# Allegro board Chronos.brd (continued)
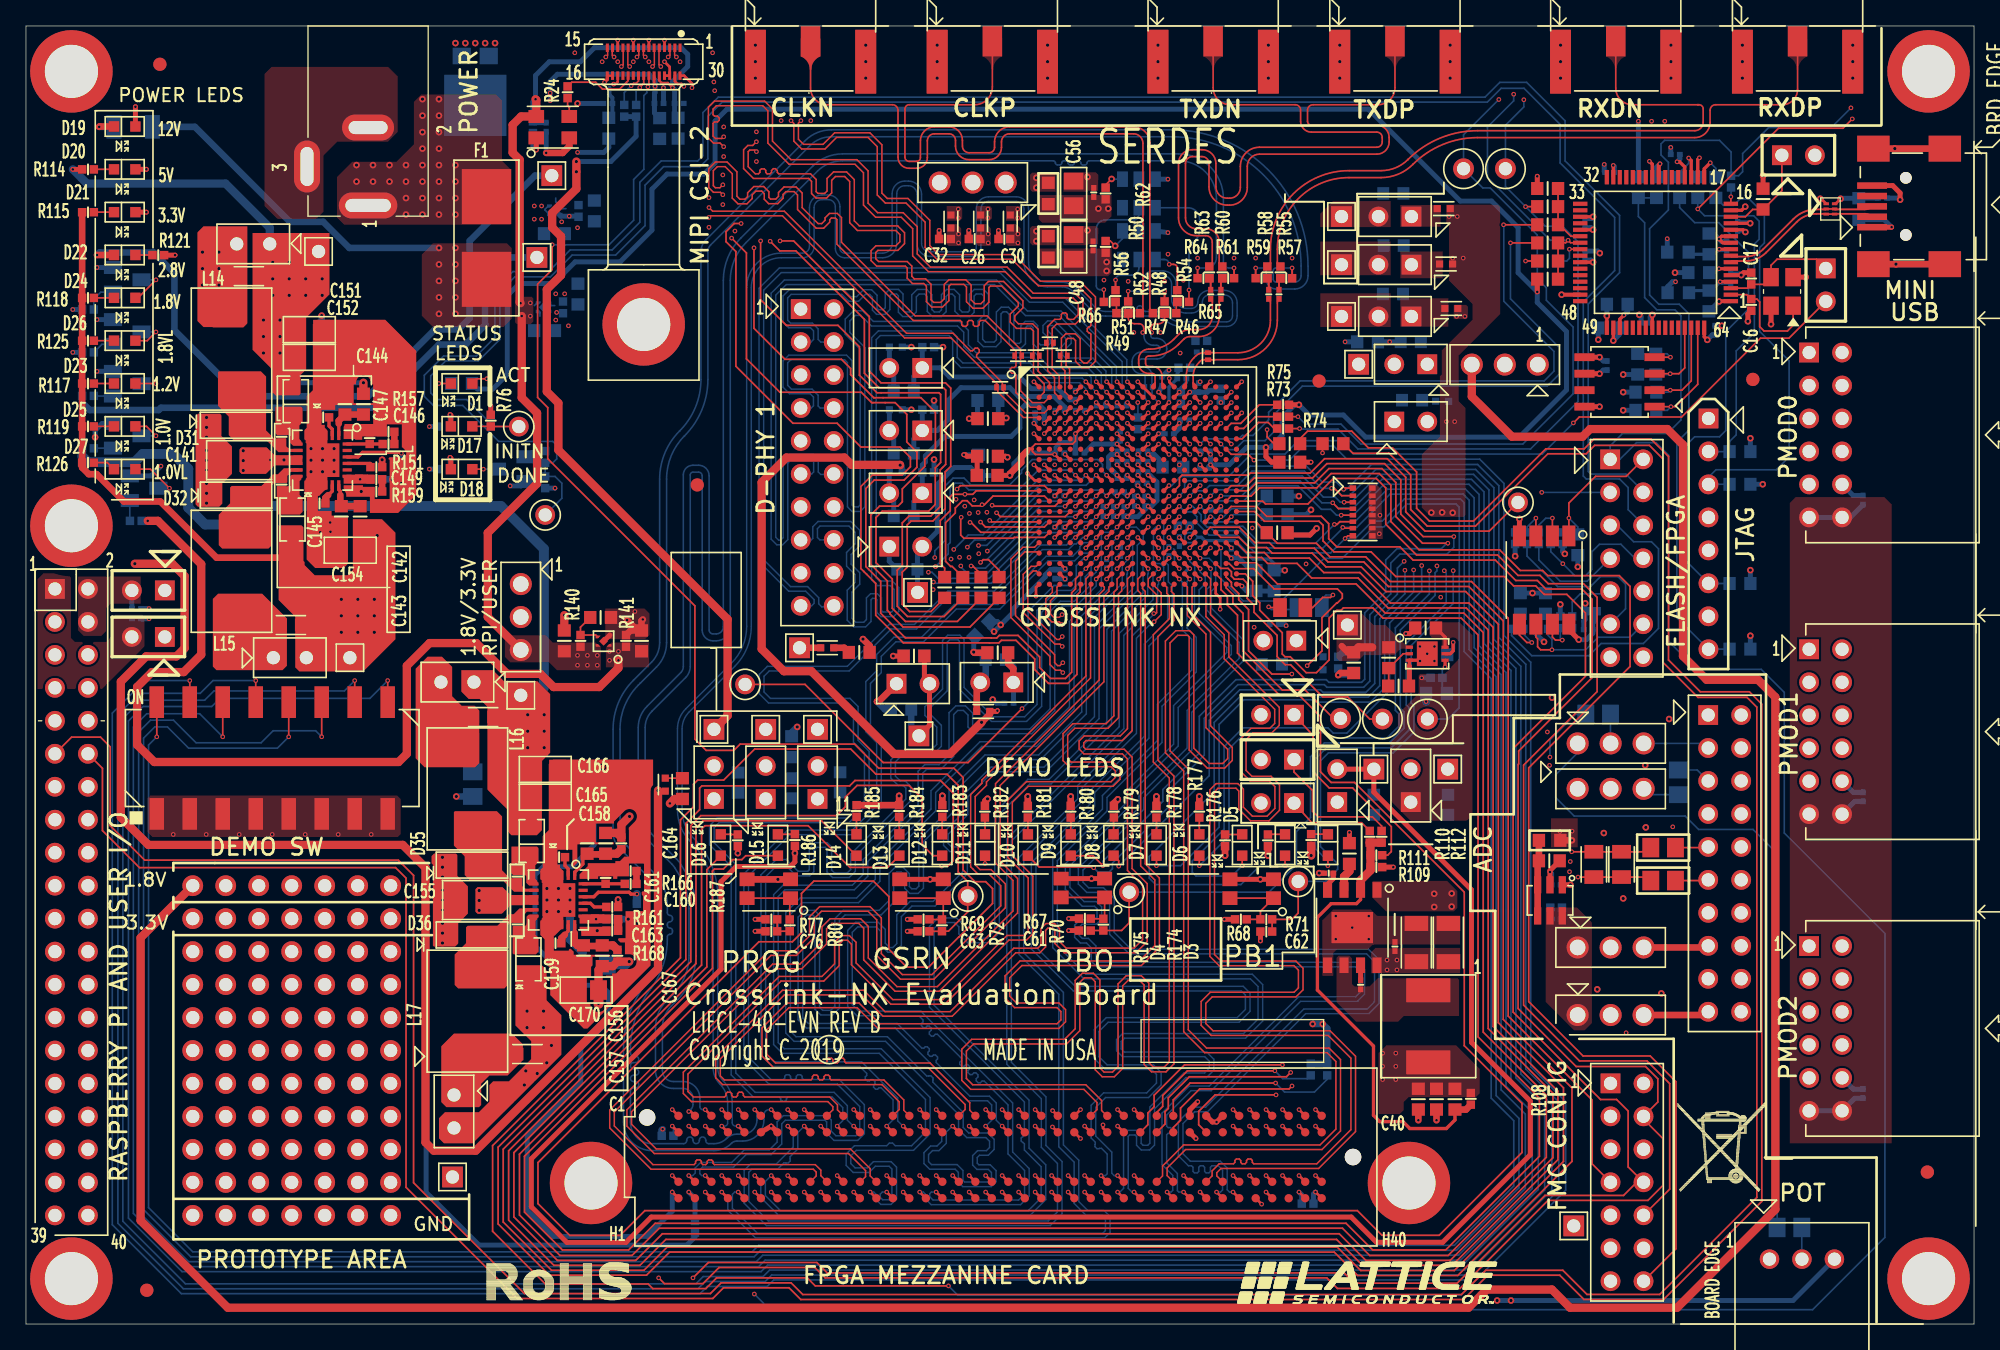
[diagram p0: board, top side]
## Routing (per net, layer and track width the routed paths; a pad name or vN(x,y) marks a point on that pad's centre or on a via; arc(x,y) is an arc through that point) (continued)
N17171321: length 2.9
  BOTTOM w0.127: J25.3 125.01,40.78 R97.1
N17171375: length 5.1
  BOTTOM w0.127: J26.3 129.18,44.73 J24.3
N17171414: length 2.2
  BOTTOM w0.127: R95.1 122.01,44.74 J24.2
N17171687: length 48.2
  TOP w0.127: v1(119.02,36.38) C89.1 C90.1 124.79,36.38 R98.2
  TOP w0.203: U3.T17 v1(90.41,59.79)
  L04_SIG w0.127: v1(119.02,36.38) 118.72,36.38 117.42,37.68 117.42,40.15 108.91,48.66 106.81,48.66 104.26,51.21 100.84,51.21 99.52,52.53 99.52,53.57 98.59,54.5 96.6,54.5 96.37,54.27 94.97,54.27 94.24,55 94.06,55 91.99,57.07 91.72,57.07 90.82,57.98 90.82,59.39 v1(90.41,59.79)
N17197718: length 1.6
  TOP w0.127: D26.2 5.23,75.76 R125.1
N17197719: length 1.8
  TOP w0.127: R126.1 6.27,66.36 D27.2
N17197780: length 4.1
  TOP w0.127: D27.1 9.58,65.86 v1(11.05,64.39)
  BOTTOM w0.127: Q6.3 v1(11.05,64.39)
N17197781: length 3
  TOP w0.127: v1(10.01,76.43) 9.34,75.76 D26.1
  BOTTOM w0.127: Q5.3 v1(10.01,76.43)
N17200489: length 6
  TOP w0.127: R69.2 69.58,31.16 R72.1 70.63,31.26 SW4.1 SW4.3
N17232620: length 1.3
  TOP w0.127: R182.1 73.85,39.01 D11.2
N17232622: length 1.3
  TOP w0.127: R183.1 70.55,38.93 D12.2
N17232650: length 1.3
  TOP w0.127: D13.2 67.25,38.55 R184.1
N17232670: length 1.3
  TOP w0.127: R185.1 63.95,39.06 D14.2
N17232716: length 1.3
  TOP w0.127: R186.1 58.69,37.74 58.68,37.73 D15.2
N17232718: length 1.3
  TOP w0.127: R187.1 54.3,37.71 54.28,37.73 D16.2
N17247466: length 7.4
  TOP w0.127: C82.1 L12.1
  TOP w0.508: L12.1 C82.1 116.4,35.59 U7.3 U7.4
N17247856: length 1.4
  TOP w0.381: U7.1 v2(118.92,33.84)
  BOTTOM w0.381: v2(118.92,33.84) 118.91,33.83 C84.1
N17274099: length 1.3
  TOP w0.127: R180.1 80.45,39.02 D9.2
N17274101: length 1.3
  TOP w0.127: R178.1 87.05,38.89 D7.2
N17274103: length 1.3
  TOP w0.127: R181.1 77.15,39.01 D10.2
N17274105: length 1.3
  TOP w0.127: R179.1 83.75,39 D8.2
N17274184: length 1.3
  TOP w0.127: D3.2 100.24,37.74 R174.1
N17274186: length 1.3
  TOP w0.127: D4.2 95.65,37.73 R175.1
N17274224: length 1.3
  TOP w0.127: D5.2 93.63,37.71 R176.1
N17274244: length 1.3
  TOP w0.127: D6.2 R177.1
N17274753: length 3.5
  TOP w0.127: R73.2 94.67,69.9 93.76,68.99 U3.E20
N17274811: length 3.9
  TOP w0.127: U3.F20 93.64,68.19 94.9,69.45 95.65,69.45 96.12,68.99 R74.2
N17277478: length 2.6
  BOTTOM w0.127: J26.5 128.68,42.68 R97.2
N17318347: length 3.1
  TOP w0.127: R145.1 42.7,53.68 R140.1 43.87,53.08 44.02,52.93 U14.3
N17319505: length 2.8
  TOP w0.254: U13.4 v1(109.27,50.62)
  BOTTOM w0.127: v1(109.27,50.62) 109.06,50.41 R142.1 109.06,48.94 R146.1
N17320608: length 3.5
  TOP w0.127: U13.2 106.05,51.64 105.69,51.28 105.69,51.27 104.95,50.53 R143.1 104.93,49.19 R148.2
N17321965: length 1.3
  TOP w0.508: R149.1 63,52.1 FB7.1
N17323470: length 1.3
  TOP w0.127: FB8.1 49.23,42.05 R150.1
N17329427: length 3.5
  BOTTOM w0.381: L5.1 J3.2 66.81,63.67 R32.2
N17329480: length 3.5
  BOTTOM w0.381: L7.1 66.48,73.67 J4.2 66.81,73.32 R33.2
N17329573: length 3.5
  BOTTOM w0.381: L9.1 66.48,68.84 J5.2 66.81,68.49 R34.2
N17361222: length 45.7
  TOP w0.127: C88.1 99.07,55.19 99.85,55.98 100.45,55.98 v1(100.63,56.16)
  TOP w0.203: U3.R16 v1(89.61,60.59)
  L04_SIG w0.127: v1(117.35,43.68) 116.92,43.68 110.59,50.01 110.59,50.46 109.52,51.53 109.52,51.95 107.79,53.68 105.01,53.68 102.53,56.16 v1(100.63,56.16) 100.59,56.21 95.89,56.21 93.64,58.47 93.64,59.51 92.51,60.63 90.77,60.63 90.59,60.81 89.82,60.81 v1(89.61,60.59)
  BOTTOM w0.127: R95.2 119.3,46.96 117.35,45.01 v1(117.35,43.68) ; v1(100.63,56.16) 100.11,56.16 99.78,55.84 C87.1
N17419161: length 2.6
  TOP w0.203: U3.H12 v1(86.41,66.99)
  BOTTOM w0.381: C124.1 86.37,67.04 v1(86.41,66.99) 86.42,67 86.87,67 87.52,66.36 C125.2
N17423140: length 40.5
  TOP w0.127: TP13.1 59.98,49.28 66,43.26 72.54,43.26 v1(76.7,47.41)
  TOP w0.203: U3.U6 v1(81.61,58.99)
  BOTTOM w0.127: v1(76.7,47.41) 77.17,47.88 77.17,54.9 79.16,56.9 80.26,56.9 80.87,57.51 80.87,58.42 81.44,58.99 v1(81.61,58.99)
N17423319: length 32.6
  TOP w0.127: TP9.1 112.67,61.09 107.72,61.09 106.24,62.57 106.24,65.23 104.81,66.66 99.99,66.66 98.89,65.56 94.29,65.56 94.13,65.4 89.02,65.4 88.82,65.2 88.82,64.6 U3.L14
N17431307: length 0.6
  TOP w0.203: U3.B11 v1(85.61,71.79)
  vias: v1(88.87,74.8)
N17433122: length 7.2
  TOP w0.203: U3.B15 v1(89.61,71.79) ; U3.B13 v1(87.21,71.79)
  L03_PWR w0.381: v1(87.21,71.79) 87.55,72.14 88.19,72.14 88.46,72.41 89.23,72.41 89.61,72.02 v1(89.61,71.79)
  BOTTOM w0.381: v1(87.21,71.79) 87.27,71.86 C47.2 ; v1(89.61,71.79) 89.62,71.79 C46.2 90.96,71.79 91.1,71.93 91.87,71.93 92,72.06 C45.2
N17442859: length 2.5
  TOP w0.254: U13.5 109.67,51.64 109.89,51.86 v1(109.89,52.51)
  BOTTOM w0.305: v1(109.89,52.51) 109.89,52.02 R147.1
N17453585: length 44.9
  TOP w0.127: C88.2 95.74,55.19 v1(95.68,55.25)
  TOP w0.203: U3.T16 v1(89.61,59.79)
  L04_SIG w0.127: J25.2 120.92,42.33 117.11,42.33 109.26,50.17 108.17,50.17 107.9,50.44 107.21,50.44 102.59,55.06 100.4,55.06 99.84,55.63 96.06,55.63 v1(95.68,55.25) 94.2,56.73 94.2,56.97 91.6,59.57 91.6,59.96 91.37,60.19 91.31,60.19 91.3,60.2 90.01,60.2 v1(89.61,59.79)
  BOTTOM w0.127: C87.2 97.68,55.05 95.89,55.05 v1(95.68,55.25)
N17456025: length 49.4
  TOP w0.127: R99.2 124.84,34.43 C90.2 C89.2 v1(119.51,34.43)
  TOP w0.203: U3.U17 v1(91.21,59.79)
  L04_SIG w0.127: v1(119.51,34.43) 119.69,34.62 119.69,38.8 109.15,49.34 107.1,49.34 104.35,52.1 101.18,52.1 100.25,53.03 100.25,54.06 99.25,55.05 96.37,55.05 96.09,54.77 95.16,54.77 91.62,58.31 91.62,58.44 91.21,58.85 v1(91.21,59.79)
N17501322:
  vias: v2(83.21,81.81) v2(83.21,81.13)
N17501372: length 19
  TOP w0.127: R50.1 83.5,83.43 v2(83.87,83.06)
  L04_SIG w0.127: v2(83.87,83.06) 82.02,83.06 80.47,84.61 78.11,84.61 78.02,84.69 71.54,84.69 70.36,85.88 J13.3
  BOTTOM w0.127: U4.1 84.43,83.62 v2(83.87,83.06)
N17536721: length 1.5
  TOP w0.381: C105.1 100.66,34.32 100.22,33.88 U10.4
N17536725: length 2.2
  TOP w0.635: C102.1 101.9,34.89 101.49,34.47 U10.3
N17539158: length 35.7
  TOP w0.254: U10.2 102.76,32.7 102.45,32.39 100.5,32.39 99.44,31.33 99.44,25.73 103.76,21.41 103.76,16.08 104.24,15.6 106.02,15.6 106.55,15.06 109.37,15.06 110.03,15.72 C101.2
  TOP w0.508: C101.2 110.88,16.52 R108.1
  TOP w0.635: R112.2 R110.2 103.53,37.03 R111.2 R109.2 103.53,34.95 102.77,34.19 102.77,33.45 U10.2
N17540408: length 1.2
  TOP w0.381: C100.1 102.77,27.63 U10.7
N17591276: length 2.2
  TOP w0.305: U1.24 125.73,89.29 v1(125.82,89.38)
  BOTTOM w0.381: v1(125.82,89.38) 125.55,89.12 R173.1
N17693161: length 1.7
  BOTTOM w0.127: Q1.1 38.9,67.25 R83.1
N17693448: length 1.6
  TOP w0.127: R114.1 5.23,88.96 D20.2
N17693449: length 1.6
  TOP w0.127: D21.2 5.23,85.66 R115.1
N17693484: length 2.3
  TOP w0.508: v1(5.64,92.23) 5.67,92.26 D19.2
  BOTTOM w0.508: v1(5.64,92.23) R113.1
N17693556: length 2.7
  TOP w0.127: D23.1 9.99,72.46 v1(10.01,72.44)
  BOTTOM w0.127: Q2.3 v1(10.01,72.44)
N17693557: length 3.3
  TOP w0.127: D24.1 8.62,79.06 v1(10.01,80.44)
  BOTTOM w0.127: Q4.3 v1(10.01,80.44)
N17693688: length 1.6
  TOP w0.127: D23.2 5.23,72.46 R117.1
N17693808: length 1.6
  TOP w0.127: R118.1 5.23,79.06 D24.2
N17693849: length 1.3
  TOP w0.127: R121.2 9.73,82.36 D22.1
N17694021: length 1.6
  TOP w0.127: D25.2 5.23,69.16 R119.1
N164993090: length 1.9
  TOP w0.127: D1.2 v1(31.79,72.46)
  BOTTOM w0.127: R14.1 v1(31.79,72.46)
N169870170: length 1.9
  TOP w0.381: D17.2 32.72,70 v1(32.66,70.06)
  BOTTOM w0.381: R79.1 v1(32.66,70.06)
N170760801: length 2.1
  TOP w0.254: R151.2 26.52,66.27 26.5,66.3 U15.21
N170793521: length 1.9
  TOP w0.254: U16.21 43.47,32.41 43.75,32.13 R161.2
N170861300: length 1.5
  BOTTOM w0.127: Q2.1 5.24,71.49 R123.1
N170862041: length 2.5
  BOTTOM w0.127: Q4.1 5.76,79.49 5.23,78.96 R124.1
N170866601: length 1.7
  BOTTOM w0.127: Q5.1 5.85,75.48 R132.1
N170866871: length 1.6
  BOTTOM w0.127: Q6.1 7.99,61.89 R133.1
N171045551: length 3
  TOP w0.127: D25.1 9.28,69.16 v1(10.01,68.43)
  BOTTOM w0.127: Q3.3 v1(10.01,68.43)
N171045661: length 1.5
  BOTTOM w0.127: R122.1 5.24,67.48 Q3.1
N175391551: length 10.7
  TOP w0.127: R112.1 104.39,38.36 103.67,39.07 99.5,39.07 99.07,39.5 99.07,41.1 97.64,42.53 JP6.1
N175391840: length 15.5
  TOP w0.127: JP7.1 99.11,45.33 99.11,42.53 100.34,41.31 102.14,41.31 105.13,38.32 105.13,36.4 104.85,36.12 R111.1
N175403271: length 6.8
  TOP w0.127: JP8.1 99.01,38.62 102.84,38.62 R110.1

## Copper pours and planes (outline as drawn; the poured copper is in the pictures)
+12.0V on TOP (solid shape): 19.13,66.93 20.33,66.93 20.33,66.92 21.29,66.92 21.29,66.18 20.33,66.18 20.33,66.15 19.13,66.15 18.48,65.5 16.6,65.5 16.44,65.66 16.44,67.38 16.6,67.53 18.53,67.53
+12.0V on TOP (solid shape): 37.3,33.05 38.5,33.05 38.5,33.04 39.45,33.04 39.45,32.29 39.1,32.3 38.37,32.3 38.35,32.27 37.3,32.27 36.64,31.61 34.77,31.61 34.61,31.77 34.61,33.5 34.76,33.65 36.7,33.65
+12.0V on TOP: 31.34,83.26 37.03,83.26 37.39,82.89 37.39,77.44 36.77,76.81 31.34,76.81 30.48,77.67 30.48,82.4
+12.0V on TOP: 103.68,34.14 103.68,32.84 104.72,31.8 109.96,31.8 110.21,32.05 110.21,33.4 109.47,34.14
+12.0V on TOP: 103.58,28.65 103.58,27.03 110.49,27.03 110.49,28.98 103.91,28.98
+12.0V on L03_PWR: 24.49,78.92 21.21,75.64 21.21,72.13 15.72,66.65 15.72,59.61 15.77,59.56 15.77,54.97 14.18,53.38 2.97,53.38 1.05,51.45 1.05,5.78 5.86,0.97 144.57,0.97 148.1,4.5 148.1,30.63 147.02,31.71 115.02,31.71 113.03,33.71 108.03,33.71 106.93,32.61 106.93,30.66 104.57,28.3 104.57,15.37 102.54,13.34 96.9,13.34 96.19,14.05 96.19,17.04 95.89,17.35 93.26,17.35 92.52,16.61 92.52,7.28 92.05,6.81 48.29,6.81 46.33,8.76 46.33,32.56 45.64,33.25 37.49,33.25 31.04,39.7 26.01,39.7 22.83,42.88 22.83,60.1 24.64,61.91 28.71,61.91 29.39,62.58 29.39,73.15 33.5,77.27 33.5,98.84 33.23,99.11 24.8,99.11 24.49,98.8
GND on TOP (solid shape): 15.04,70.02 15.04,68.42 15.86,67.6 15.86,65.5 15.11,64.76 15.11,63.2 14.88,62.97 13.24,62.97 13.06,63.14 13.06,69.93 13.26,70.13 14.93,70.13
GND on TOP (solid shape): 45.01,29.9 42.76,29.9 42.76,30.12 42.73,30.29 42.64,30.44 42.63,30.45 42.63,30.6 45.01,30.6
GND on TOP (solid shape): 33.21,36.14 33.21,34.53 34.03,33.72 34.03,31.62 33.28,30.87 33.28,29.31 33.05,29.08 31.4,29.08 31.34,29.15 31.34,35.4 31.23,35.5 31.23,36.05 31.42,36.24 33.1,36.24
GND on TOP (solid shape): 30.05,74.98 30.05,63.88 28.65,62.48 26.48,62.48 26.48,63.73 24.66,63.73 24.66,63.89 24.65,63.95 24.63,64.02 24.61,64.08 24.57,64.13 24.54,64.17 24.54,64.29 24.46,64.36 24.46,64.61 25.95,64.61 25.95,64.5 26.85,64.5 26.85,63.56 28,63.56 28,66.59 27.93,66.59 27.93,66.67 27.93,66.69 27.94,66.72 27.96,66.74 27.99,66.76 28.01,66.77 28.03,66.77 28.69,66.77 28.71,66.75 28.76,66.73 28.81,66.71 28.87,66.7 28.93,66.7 28.98,66.71 29.04,66.72 29.09,66.74 29.14,66.78 29.18,66.81 29.21,66.86 29.24,66.9 29.27,66.96 29.28,67.01 29.29,67.07 29.28,67.12 29.27,67.18 29.25,67.23 29.23,67.28 29.19,67.33 29.17,67.35 28.99,67.53 28.94,67.53 28.94,69.31 27.79,69.31 27.79,68.37 27.05,68.37 27.05,68.38 25.89,68.38 25.89,68.13 25.34,68.13 25.34,68.18 24.46,68.18 24.46,69.11 24.48,69.14 24.51,69.2 24.53,69.26 24.54,69.34 26.74,69.34 26.74,70.79 23.81,70.79 23.81,70.43 22.76,70.43 22.76,69.27 23.01,69.27 23.01,69.05 23.21,68.85 23.21,67.84 24.13,67.84 24.13,65.25 23.21,65.25 23.21,64.31 23.13,64.29 23.07,64.27 23.02,64.24 22.96,64.2 22.94,64.17 22.6,63.83 22.6,63.8 22.48,63.8 22.48,62.64 23.53,62.64 23.53,62.28 24.79,62.28 24.79,58.57 24.46,58.24 22.27,58.24 21.62,58.9 21.62,63.68 21.44,63.85 21.44,64.92 21.54,64.92 21.54,65.11 21.62,65.19 21.62,67.81 21.54,67.89 21.54,68.18 21.45,68.18 21.45,68.87 21.62,69.04 21.62,71.46 22.09,71.93 22.09,72.4 25.23,72.4 25.23,70.94 26.74,70.94 26.74,72.4 26.56,72.4 26.56,72.55 26.55,72.62 26.53,72.68 26.51,72.74 26.48,72.8 26.44,72.86 26.4,72.91 26.35,72.95 26.3,72.99 26.24,73.03 26.18,73.05 26.12,73.07 26.05,73.08 25.98,73.09 25.92,73.08 25.85,73.07 25.79,73.05 25.73,73.03 25.67,72.99 25.62,72.95 25.57,72.91 25.53,72.86 25.49,72.8 25.46,72.74 25.44,72.68 25.42,72.62 25.41,72.55 25.41,72.4 22.09,72.4 22.09,77.03 22.42,77.36 27.66,77.36
GND on TOP (solid shape): 48.29,41.52 48.26,41.5 48.22,41.45 48.18,41.39 48.14,41.33 48.12,41.27 48.1,41.2 48.1,41.13 48.09,41.1 48.09,27.63 43.23,22.77 42.94,22.77 40.37,25.34 40.37,27.42 39.94,27.86 39.94,29.64 39.72,29.86 39.66,29.92 40.64,29.92 40.64,28.76 41.8,28.76 41.8,28.82 41.81,28.85 41.83,28.87 41.85,28.89 41.88,28.9 41.91,28.91 41.94,28.9 41.96,28.89 41.98,28.88 42.17,28.68 42.17,28.44 44.96,28.44 44.96,28.3 43.62,28.3 43.62,27.63 43.51,27.52 43.51,26.73 43.18,26.73 43.18,24.73 43.45,24.73 43.45,24.63 43.46,24.56 43.47,24.49 43.5,24.43 43.53,24.36 43.57,24.3 43.61,24.25 43.66,24.19 43.72,24.15 43.78,24.11 43.84,24.08 43.91,24.06 43.98,24.04 44.05,24.03 44.12,24.03 44.19,24.04 44.26,24.06 44.33,24.08 44.39,24.11 44.45,24.15 44.51,24.19 44.56,24.25 44.6,24.3 44.64,24.36 44.67,24.43 44.7,24.49 44.71,24.56 44.72,24.63 44.72,24.73 44.99,24.73 44.99,26.73 44.66,26.73 44.66,26.84 45.13,26.84 45.13,27 45.43,27 45.77,27.34 46.12,27.34 46.12,27.35 46.45,27.35 46.49,27.35 46.55,27.36 46.62,27.37 46.68,27.4 46.74,27.43 46.79,27.46 46.85,27.51 46.89,27.55 46.93,27.61 46.96,27.66 46.99,27.73 47.01,27.79 47.02,27.86 47.02,27.92 47.02,27.99 47.01,28.05 46.99,28.12 46.96,28.18 46.93,28.24 46.89,28.29 46.85,28.34 46.79,28.38 46.74,28.42 46.68,28.45 46.62,28.47 46.55,28.49 46.49,28.49 46.45,28.49 46.12,28.49 46.12,29.4 45.77,29.4 45.61,29.56 45.6,29.59 45.59,29.62 45.6,29.65 45.61,29.67 45.63,29.7 45.65,29.71 45.68,29.72 45.69,29.72 46.17,29.72 46.17,31.8 47.51,31.8 47.51,33 47.5,33.01 47.47,33.02 47.45,33.04 47.43,33.06 47.42,33.09 47.42,33.13 47.42,33.18 47.41,33.22 47.41,33.25 47.42,33.28 47.44,33.3 47.47,33.32 47.5,33.33 47.59,33.33 47.59,35.48 46.43,35.48 46.43,34.49 45.53,34.49 45.53,34.3 45.21,34.3 45.21,34.5 44.05,34.5 44.05,34.3 42.9,34.3 42.63,34.29 42.63,34.56 42.63,34.65 43.26,35.28 43.26,35.5 45.38,35.5 45.38,35.66 45.73,35.66 46.08,36 46.43,36 46.43,38.06 46.42,38.06 46.42,38.24 46.88,38.7 46.9,38.72 46.94,38.78 46.98,38.83 47,38.89 47.02,38.96 47.04,39.02 47.04,39.09 47.04,39.15 47.03,39.22 47.01,39.28 46.99,39.35 46.96,39.4 46.92,39.46 46.88,39.51 46.83,39.55 46.77,39.59 46.71,39.62 46.65,39.65 46.59,39.66 46.52,39.67 46.46,39.68 46.39,39.67 46.32,39.66 46.26,39.64 46.2,39.61 46.14,39.57 46.09,39.53 46.07,39.51 45.28,38.72 45.28,38.56 43.87,38.56 43.87,37.1 45.27,37.1 45.27,36.96 42.45,36.96 42.45,35.55 42.13,35.23 42.03,35.32 42.06,35.39 42.08,35.39 42.08,36.55 40.92,36.55 40.92,35.39 41.12,35.39 41.12,35.16 41.37,34.91 41.37,34.56 41.37,34.52 41.37,33.96 42.3,33.96 42.3,31.82 42.3,31.82 42.3,31.37 41.37,31.37 41.37,30.8 41.37,30.76 41.37,30.48 41.31,30.46 41.26,30.44 41.21,30.41 41.16,30.37 41.14,30.35 40.71,29.92 39.66,29.92 39.61,29.97 39.61,31.04 39.71,31.04 39.71,31.17 39.72,31.18 39.72,31.24 39.79,31.31 39.79,33.92 39.72,33.99 39.72,34.15 39.71,34.16 39.71,34.29 39.62,34.29 39.62,34.99 39.79,35.16 39.79,37.58 40.26,38.05 40.26,42.93 44.14,42.93 44.15,42.88 44.16,42.83 44.18,42.79 44.21,42.75 44.24,42.72 44.28,42.69 44.32,42.67 44.37,42.65 44.41,42.65 44.46,42.65 44.51,42.66 44.55,42.68 44.59,42.7 44.63,42.73 44.66,42.77 44.68,42.81 44.7,42.86 44.7,42.9 44.7,42.95 44.7,43 44.68,43.04 44.66,43.08 44.63,43.12 44.59,43.15 44.55,43.18 44.51,43.19 44.46,43.2 44.41,43.21 44.37,43.2 44.32,43.19 44.28,43.16 44.24,43.14 44.21,43.1 44.18,43.06 44.16,43.02 44.15,42.97 44.14,42.93 40.26,42.93 40.26,43.15 40.59,43.48 48.29,43.48
GND on TOP: 99.58,26.82 100.63,26.82 100.66,26.85 100.66,28.57 100.94,28.85 103.33,28.85 103.68,29.21 110.52,29.21 110.52,31.45 104.04,31.45 103.56,31.93 100.65,31.93 99.58,30.86
GND on TOP: 44.6,55.12 44.6,53.09 44.93,52.76 47.68,52.76 48.01,53.09 48.01,54.74 47.62,55.12
GND on TOP: 79.93,88.72 82.37,88.72 82.58,88.52 82.58,87.17 79.88,87.17 79.88,88.67
GND on TOP: 18.92,96.85 27.89,96.85 28.63,96.11 28.63,91.85 27.86,91.08 23.98,91.08 22.91,90.02 22.91,85.7 22.35,85.14 19.35,85.14 18.36,86.13 18.36,96.29
GND on TOP: 79.93,84.61 82.37,84.61 82.58,84.4 82.58,83.06 79.88,83.06 79.88,84.56
GND on TOP: 9.74,37.52 28.62,37.52 28.85,37.75 28.85,40.44 28.57,40.72 9.59,40.72 9.36,40.5 9.36,37.9
GND on BOTTOM: 40.13,77.69 40.13,77.34 40.25,77.23 40.25,76.02 41.91,76.02 43.05,77.17 43.05,79.05 41.99,79.05 41.99,78.26 41.93,78.2 40.88,78.2 40.81,78.13 40.52,78.13 40.22,78.43 40.11,78.43 39.85,78.69 39.5,78.33 39.5,78.31 39.85,77.95 39.87,77.95
GND on BOTTOM: 41,85.24 41,83.26 44.22,83.26 44.22,85.59 44.19,85.63 41.25,85.63 40.72,86.16 40.36,85.8 40.36,85.78 40.72,85.42 40.82,85.42
GND on BOTTOM: 24.69,58.8 24.69,62.26 22.3,62.26 22.3,58.8
GND on BOTTOM: 47.98,91.83 47.98,90.05 51.65,90.05 51.84,90.23 51.84,93.53 53.42,95.11 53.42,96.51 53.15,96.78 51.24,96.78 51.04,96.57 51.04,95.9 50.42,95.28 50.42,93.83 50.85,93.83 51.01,93.67 51.01,92.21 50.64,91.83
GND on BOTTOM: 46,55.36 46,52.93 47.93,52.93 47.93,55.36
GND on BOTTOM: 32.4,97.24 32.59,97.05 36.75,97.05 36.88,97.18 36.88,98.48 36.43,98.94 32.76,98.94 32.4,98.57
GND on BOTTOM: 21.08,96.85 27.89,96.85 28.63,96.11 28.63,91.85 27.86,91.08 23.95,91.08 22.91,90.04 22.91,87.53 22.89,87.53 22.5,87.15 20.85,87.15 20.37,87.63 20.37,96.14
GND on BOTTOM: 115.98,34.98 115.98,30.78 117.69,30.78 117.69,34.98
GND on L02_GND: 0.89,0.89 0.89,99.11 44,99.11 44.01,99.11 149.11,99.11 149.11,0.89 ; 1 cut-out
GND on L04_SIG: 117.18,95.06 114.13,98.11 108.52,98.11 107.77,97.36 103.54,97.36 102.78,98.12 94.21,98.12 93.61,97.52 88.84,97.52 88.3,98.06 77.49,98.06 76.86,97.43 72.8,97.43 71.94,98.29 66.7,98.29 64.79,96.38 59.96,96.38 59.96,96.38 58.33,96.38 58.12,96.59 58.12,99.91 141.63,99.91 141.71,99.82 141.71,95.38 141.39,95.06
GND on L04_SIG: 87.76,63.08 88,63.33 93.78,63.33 98.06,59.04 99.9,59.04 100.37,58.58 103.53,58.58 105.63,56.47 111.63,56.47 114.5,53.6 114.5,51.62 116.37,49.74 118.16,49.74 120.27,47.64 126.24,47.64 127.22,46.66 127.22,28.36 126.74,27.88 126.74,23.43 125.46,22.15 121.13,22.15 120.47,22.81 120.47,31.23 115.63,36.07 115.63,40.22 108.33,47.52 106.57,47.52 104.5,49.59 100.92,49.59 98.67,51.84 95.91,51.84 93.88,53.87 93.88,54.15 91.86,56.18 91.69,56.18 91.54,56.33 91.54,56.6 90.45,57.69 90.07,57.69 87.76,59.99 ; 9 cut-outs
GND on L04_SIG: 88.41,74.01 88.55,73.88 88.55,72.91 87.42,71.79 86.03,71.79 85.9,71.92 85.9,73.5 86.41,74.01
GND on L05_GND: 0.89,0.89 0.89,99.11 44.25,99.11 52.13,99.11 149.11,99.11 149.11,0.89
V1P0_LDO on TOP: 75.46,86.13 76.51,86.13 76.66,85.98 76.66,85.17 76.48,84.99 75.46,84.99
V1P0_LDO on TOP: 70.89,86.13 71.93,86.13 72.09,85.98 72.09,85.17 71.91,84.99 70.89,84.99
V1P0_LDO on TOP: 44.65,50.6 44.65,52.12 45.03,52.5 47.98,52.5 47.98,50.6
V1P0_LDO on TOP: 109.93,78.51 109.93,77.42 110.9,77.42 111.02,77.55 111.02,78.38 110.9,78.51
V1P0_LDO on BOTTOM: 44.67,52.28 44.67,50.92 45.72,50.92 46.17,51.36 47.62,51.36 47.77,51.52 47.77,52.11 47.6,52.28
V1P0_LDO on L04_SIG: 60.73,51.31 60.73,52.93 44.68,52.93 44.68,50.93 44.73,50.88 60.3,50.88
V1P2 on BOTTOM: 39.87,78.96 40.37,78.45 41.73,78.45 41.73,79.3 42.08,79.64 43.03,79.64 43.03,80.65 41.77,80.65 40.78,79.67 40,79.67 39.87,79.53
V1P2 on L03_PWR: 44.15,81.71 44.15,77.72 43.61,77.19 38.28,77.19 36.75,78.71 36.75,93.24 38.73,95.22 40.49,95.22 40.83,94.89 40.83,92.79 40.21,92.18 40.21,92.18 38.3,90.27 38.3,83.55 38.85,83.01 42.85,83.01
V1P8 on TOP (solid shape): 40.08,27.28 40.08,24.94 41.22,23.8 41.22,20.76 34.4,13.93 32.18,13.93 31.8,14.31 31.8,15.86 32.26,16.32 34.87,16.32 35.69,17.14 35.69,18.41 35.97,18.69 37.19,18.69 38.91,20.42 38.91,21.79 37.69,23 37.69,27.64 39.72,27.64
V1P8 on TOP: 44.27,50.37 44.27,52.15 43.92,52.5 40.56,52.5 40.01,53.06 37.29,53.06 36.88,52.65 36.88,51.38 37.29,50.98 40.28,50.98 40.89,50.37
V1P8 on TOP: 37.79,77.03 38.86,77.03 39.07,77.24 39.07,79 38.93,79.14 37.79,79.14 37.67,79.01 37.67,77.15
V1P8 on BOTTOM: 51.28,41.44 51.28,39.6 55.3,39.6 55.3,41.44
V1P8 on BOTTOM: 41.22,18.21 41.22,20.39 44.41,23.57 44.41,25.31 44.11,25.6 41.5,25.6 39.29,27.81 39.29,35.05 43.17,38.93 43.17,42.71 43.46,43 43.46,44.6 44.24,45.38 44.24,54.44 45.69,55.89 45.69,69.93 42.88,72.75 42.88,74.79 42.06,75.6 39.91,75.6 39.65,75.86 39.65,77.8 39.12,78.34 39.6,78.82 39.6,78.97 38.1,78.97 37.79,78.65 37.79,71.66 41.7,67.75 41.7,62.87 40.86,62.03 40.86,42.92 39.41,41.48 37.2,41.48 33.62,37.89 33.62,25.44 32.84,24.66 32.84,17.49 31.45,16.1 31.45,13.06 31.69,12.83 35.84,12.83
V1P8 on BOTTOM: 56.13,41.19 56.13,39.6 59.44,39.6 59.44,41.19
V1P8 on BOTTOM: 60.15,41.44 60.15,39.67 63.25,39.67 63.25,41.44
V1P8 on L04_SIG: 48.67,40.08 50.18,41.59 61.52,41.59 61.77,41.34 61.77,39.29 55.77,39.29 53.94,37.47 53.94,34.35 53.44,33.85 45.97,33.85 41.5,29.38 41.5,16.05 35.13,9.68 30.63,9.68 29.41,10.9 29.41,28.17 27.74,29.84 12.62,29.84 12.62,29.85 11.84,29.85 11.47,30.22 11.47,34.8 16.75,40.08
V1P8 on L04_SIG: 37.69,78.87 37.69,77.24 40.01,77.24 40.01,78.87
V1P8_ADC_VREF on TOP: 117.02,32.08 119.43,32.08 120.57,30.94 120.57,23.19 120.02,22.63 119.2,22.63 117.02,24.82
V1P8_ADC_VREF on BOTTOM: 117.96,32.41 117.96,23.11 118.41,22.66 120.57,22.66 120.57,30.91 119.08,32.41
V1P8_LDO on TOP: 73.18,86.13 74.22,86.13 74.37,85.98 74.37,85.17 74.19,84.99 73.18,84.99
V1P8_LDO on TOP: 100.91,51.31 101.14,51.08 102.57,51.08 103.02,51.54 105.36,51.54 105.84,52.02 106.76,52.02 106.81,52.07 106.81,52.22 106.73,52.3 106.25,52.3 104.7,53.85 103.76,53.85 102.87,54.74 100.91,54.74
V1P8_LDO on TOP: 109.58,84.59 109.37,84.79 109.37,86.23 113.31,86.23 113.51,86.03 113.51,77.8 110.31,74.6 110.31,71.09 110.85,70.56 110.85,62.33 110.62,62.1 108.08,62.1 107.48,62.7 107.48,66.99 108.87,68.38 108.87,73.01 109.02,73.15 109.02,75.01 111.38,77.37 111.38,78.59 109.58,80.39
V1P8_LDO on BOTTOM: 101.68,55.8 101.68,58.62 104.09,61.04 104.62,61.04 106.32,62.74 106.36,62.74 106.45,62.83 109.69,62.83 110.06,62.46 110.06,60.94 109.07,59.94 105.18,59.94 103.78,58.55 103.78,55.93 102.69,54.84 102.69,51.22 102.5,51.03 99.54,51.03 99.54,53.06 100.61,54.13 100.61,54.74
V1P8_LDO on BOTTOM: 109.12,71.6 109.12,69.24 109.19,69.16 110.41,69.16 110.62,69.37 110.62,71.32 110.34,71.6
V1P8_LDO on L03_PWR: 74.88,48.36 73.41,48.36 72.69,47.65 72.69,46.02 72.72,46.02 72.91,45.83 80.53,45.83 84.76,50.06 100.43,50.06 102.57,52.2 102.57,54.64 99.44,54.64 99.44,52.46 98.47,51.49 94.01,51.49 91.85,53.64 85.17,53.64 79.27,47.75 75.49,47.75
V1P8_LDO on L04_SIG: 73.98,84.85 82.57,84.85 84.58,82.84 84.58,81.89 85.19,81.27 87.31,81.27 90.14,84.1 108.46,84.1 109.3,83.26 109.3,82.04 109.83,81.51 112.12,81.51 112.29,81.69 112.29,84.61 111,85.9 109.42,85.9 106.13,89.19 84.17,89.19 83.95,88.97 83.95,88.03 83.7,87.78 77.45,87.78 76.54,86.87 73.89,86.87 73.82,86.8 73.82,85.02
V1P8_VCCADC18 on BOTTOM: 94.61,54.23 94.61,50.16 96.04,50.16 96.04,54.23
V1P8_VCCADC18 on L03_PWR: 88.72,61.81 88.72,57.52 94.41,51.83 95.55,51.83 96.05,52.33 96.05,53.21 90.36,58.9 90.36,61.81
V1P8_VCCAUX on L03_PWR: 80.8,67.16 82.14,67.16 83.46,65.84 85.94,65.84 86.15,65.63 86.61,65.63 86.69,65.56 86.69,65.15 86.56,65.02 86.23,65.02 86.03,64.82 86.03,63.32 86.13,63.22 87.63,63.22 88.06,62.79 88.06,57.18 78.99,48.11 75.67,48.11 75.21,48.56 75.21,50.57 76.21,51.57 80.61,51.57 85.24,56.21 85.24,60.66 84.96,60.93 81.38,60.93 80.54,61.77 80.54,63.93 80.21,64.26 77.47,64.26 75.95,65.79 75.64,65.79 75.29,66.14 75.29,66.88 75.54,67.13 77.9,67.13 78.36,66.67 80.31,66.67
V1P8_VCCAUX on L04_SIG: 79.04,66.42 82.96,66.42 83.46,65.91 83.46,62 83.29,61.82 82.25,61.82 81.97,62.1 81.97,63.98 81.99,64.01 81.99,64.14 80.34,65.79 79.02,65.79 79.02,66.4
V2P8 on BOTTOM: 40.73,86.52 41.39,85.86 41.93,85.86 41.95,85.88 44.22,85.88 44.22,85.88 44.27,85.93 44.27,86.15 44.27,86.16 44.27,87.67 43.92,88.02 42.42,88.02 41.89,88.54 41.89,90.5 42.23,90.83 42.23,92.17 42.41,92.35 45.42,92.35 45.42,93.47 42.22,93.47 42.02,93.67 42.02,94.3 42.2,94.49 45.22,94.49 45.55,94.82 45.55,95.68 45.21,96.02 41.1,96.02 40.91,95.84 40.91,93.95 40.54,93.58 40.54,90.12 39.69,89.27 39.69,87.67 39.84,87.67 40.73,86.77
V2P8 on L03_PWR: 44.98,94.59 50.77,94.59 51.26,95.07 51.26,96.14 50.93,96.47 44.45,96.47 44.45,95.12
V3P3 on TOP (solid shape): 28.45,60.96 28.45,52.76 25.97,50.28 21.05,50.28 20.74,50.58 20.74,54.49 19.46,55.78 19.46,61.52 21.21,61.52 21.36,61.38 21.36,58.79 21.45,58.7 21.45,58.46 22.23,57.68 24.77,57.68 25.17,58.09 25.17,62 27.41,62
V3P3 on TOP: 117.42,38.96 117.42,36.73 119.48,36.73 119.48,38.96
V3P3 on TOP: 77.5,83.11 79.27,83.11 79.27,84.58 77.47,84.58 77.32,84.43 77.32,83.29
V3P3 on TOP: 105.04,40.27 105.04,44.82 105.64,45.41 105.64,46.99 107.24,48.59 107.24,49.96 107.37,50.09 109.25,50.09 109.75,50.6 109.75,50.65 110.36,51.26 110.36,52.55 110.08,52.83 109.6,52.83 109.55,52.78 109.55,51.99 109.52,52.02 109.02,52.02 109.02,52.76 108.89,52.88 108.25,52.88 108.08,53.06 108.08,54.08 108.05,54.1 108.05,54.18 110.29,54.18 111.38,53.09 111.38,39.22 110.95,38.79 106.53,38.79
V3P3 on TOP: 77.5,87.22 79.27,87.22 79.27,88.7 77.47,88.7 77.32,88.54 77.32,87.4
V3P3 on BOTTOM: 100.15,35.61 104.96,30.8 104.96,22.96 101.78,19.77 101.78,19.08 100.08,17.37 94.74,17.37 93.32,15.95 90.1,15.95 89.54,15.39 89.54,14.33 89.92,13.96 100.14,13.96 100.55,14.37 109.49,14.37 110.87,15.74 110.87,39.34 110.54,39.67 108.76,39.67 107.42,41.02 105.87,41.02 104.57,39.73 103.02,39.73 101.75,41 100.15,41
V3P3 on BOTTOM: 30.86,25.12 33.07,27.33 33.07,54.31 34.62,55.85 38.76,55.85 39.12,56.21 39.12,58.88 38.02,59.97 29.26,59.97 28.57,59.28 28.57,59.18 27.28,57.89 15.54,57.89 14.63,56.97 14.63,56.9 11.68,53.95 11.66,53.98 10.16,53.98 9.78,53.59 9.78,50.72 10.48,50.02 28.23,50.02 28.43,49.83 28.43,45.21 27.43,44.21 12.37,44.21 10.26,42.1 10.26,25.88 11.02,25.12
V3P3 on BOTTOM: 38.51,86.66 38.51,83.48 40.5,83.48 40.5,85.46 40.18,85.78 40.18,86 40.35,86 40.51,86.15 40.51,86.66
V3P3 on L03_PWR: 23.29,42.95 25.78,40.46 30.81,40.46 37.54,33.73 45.85,33.73 47.52,32.05 47.52,9.6 49.5,7.62 90.25,7.62 91.8,9.17 91.8,17.09 92.53,17.83 96.06,17.83 96.55,17.35 96.55,14.48 97.08,13.94 101.24,13.94 103.89,16.59 103.89,28.78 106.3,31.19 106.3,32.77 107.75,34.21 113.44,34.21 115.19,32.46 119.94,32.46 119.96,32.48 147.59,32.48 148.85,33.74 148.85,37.99 148.85,37.99 134.53,37.99 132.98,39.54 126.42,39.54 125.53,38.66 111.23,38.66 109.12,36.55 104.75,36.55 94.67,26.47 65.49,26.47 54.8,37.16 37.82,37.16 29.77,45.21 29.77,51.26 31.38,52.87 39.62,52.87 40.9,54.15 62.02,54.15 67.31,59.44 67.31,60.71 66.73,61.29 66.73,64.59 66.7,64.62 66.7,75.37 68.27,76.94 68.27,86.09 69.47,87.28 77.4,87.28 77.52,87.17 77.52,81.62 77.75,81.39 81.19,81.39 81.57,81.77 81.57,84.12 81.55,84.14 87.14,89.74 115.93,89.74 117.07,88.6 117.07,79.03 115.54,77.51 115.54,72.14 117.65,70.03 123.19,70.03 123.52,70.36 123.52,75.26 122.78,76 122.02,76 120.74,77.28 120.74,80.28 121.03,80.57 121.03,81.97 120.9,82.09 120.89,82.09 120.89,82.46 120.01,83.33 120.01,84.83 120.32,85.14 123.88,85.14 124.16,84.86 124.16,78.44 125.15,77.44 126.92,77.44 126.94,77.46 127.47,77.46 129.48,79.46 129.48,83.88 130.61,85.01 133.65,85.01 134.29,85.65 134.29,90.86 133.76,91.39 121.36,91.39 118.47,94.28 51.94,94.28 51.34,93.68 42.63,93.68 38.89,89.94 38.89,83.78 39.18,83.49 43.21,83.49 44.56,82.13 44.56,77.38 44.02,76.84 42.75,76.84 42.42,76.51 42.42,61.92 41.84,61.34 25.02,61.34 23.29,59.61
V5P0 on TOP (solid shape): 23.37,79.32 21.57,77.53 21.57,73.54 21.14,73.11 21.14,71.66 21.02,71.54 19.21,71.54 18.97,71.79 18.97,73.54 17.45,75.06 17.45,84.05 23.37,84.05
V5P0 on BOTTOM: 21.57,74.37 21.57,77.53 23.37,79.32 23.37,83.46 22.78,84.05 17.45,84.05 17.45,75.06 18.14,74.37
V5P0 on L03_PWR: 5.61,69.55 9.47,65.68 9.47,55.09 10.16,54.41 14.07,54.41 14.88,55.22 14.88,66.36 20.6,72.07 20.6,76 24.13,79.53 24.13,98.72 23.77,99.08 5.36,99.08 0.97,94.69 0.97,78.77 5.61,74.13
VCC1_8FT on L03_PWR: 121.62,80.64 121.13,80.16 121.13,77.42 122.17,76.38 122.99,76.38 124.07,75.29 124.07,72.36 124.84,71.59 128.2,71.59 128.25,71.54 133.4,71.54 134.06,72.2 134.06,84.24 133.86,84.45 130.3,84.45 129.91,84.06 129.91,79.51 127.43,77.04 124.36,77.04 123.77,77.62 123.77,84.51 123.52,84.76 120.5,84.76 120.4,84.66 120.4,83.49 120.65,83.24 121.28,83.24 121.62,82.91
VCC_CORE_V1P0 on TOP (solid shape): 36.81,49.51 39.38,49.51 40.36,48.53 40.36,44.01 40.08,43.73 40.03,43.73 40.03,43.68 39.74,43.39 39.74,39.66 39.73,39.65 39.73,38.05 39.33,37.66 37.38,37.66 37.14,37.9 37.14,39.57 35.53,41.17 35.53,47.55 34.92,48.16 34.09,48.16 33.53,48.72 33.53,50.37 35.96,50.37
VCC_CORE_V1P0 on BOTTOM: 39.14,41.86 40.23,42.95 40.23,49.94 39.83,50.34 33.58,50.34 33.58,41.86
VCC_CORE_V1P0 on L03_PWR: 33.21,47.04 32.78,47.46 32.78,50.44 33.11,50.76 37.11,50.76 37.65,50.23 40.18,50.23 42.32,52.36 56.07,52.36 58.2,50.23 61.51,50.23 65.69,54.41 69.16,54.41 70.1,55.35 70.1,60.5 69.71,60.9 69.71,69.41 70.56,70.26 77.32,70.26 78.11,69.47 81.56,69.47 81.99,69.9 86.77,69.9 86.92,69.75 86.92,69.18 87.03,69.07 87.15,69.07 87.15,69.07 87.45,69.07 87.58,68.94 87.58,68.28 87.32,68.02 85.58,68.02 85.37,67.81 85.37,66.8 85.5,66.67 86.19,66.67 86.56,66.3 86.56,66.1 86.47,66.02 83.47,66.02 82.17,67.31 75.49,67.31 75.06,66.88 75.06,58.01 70.37,53.33 67.3,53.33 63.2,49.23 52.64,49.23 47.62,44.21 44.32,44.21 43.97,43.85 43.97,42.48 44.17,42.28 47.37,42.28 48.97,43.88 52.94,43.88 52.98,43.83 52.98,39.34 52.29,38.64 50,38.64 49.97,38.62 40.09,38.62 38.29,40.42 38.29,45.96 37.22,47.04
VCC_CORE_V1P0 on L04_SIG: 37.03,42.67 41.63,42.67 42.37,43.41 42.37,46.3 39.35,49.32 36.98,49.32 36.48,48.82 36.48,43.22
VCC_CORE_V1P0 on L04_SIG: 83.85,68.78 87.4,68.78 87.53,68.66 87.53,68.1 86.92,67.49 86.92,65.07 87.53,64.47 87.53,63.58 85.9,61.95 83.87,61.95 83.77,62.05 83.77,62.56 83.57,62.76 83.57,68.5
VCCIO0 on BOTTOM: 89.36,70.64 89.36,69.22 89.69,68.88 89.69,68.88 89.98,68.59 92.12,68.59 92.41,68.88 94.46,68.88 95.26,69.68 95.26,70.67 97.65,73.05 105.97,73.05 106.38,73.46 106.38,76.2 103.39,76.2 103.39,75 103.23,74.84 101.63,74.84 101.14,75.33 97.05,75.33 94.01,72.29 94.01,71.6 93.04,70.64